# Altium PCB MB1166.PcbDoc (part 25 of 39)
Units mil, origin at the board's own origin, x right, y up, seen from the top; angles counter-clockwise.
Board outline 5000.99 x 2352.96 mil, 4 copper layers (TOP, L2_GND, L3_VCC, BOTTOM), stack 25.9 mil thick; 35 components, 24 nets, 166 pads, 143 vias.
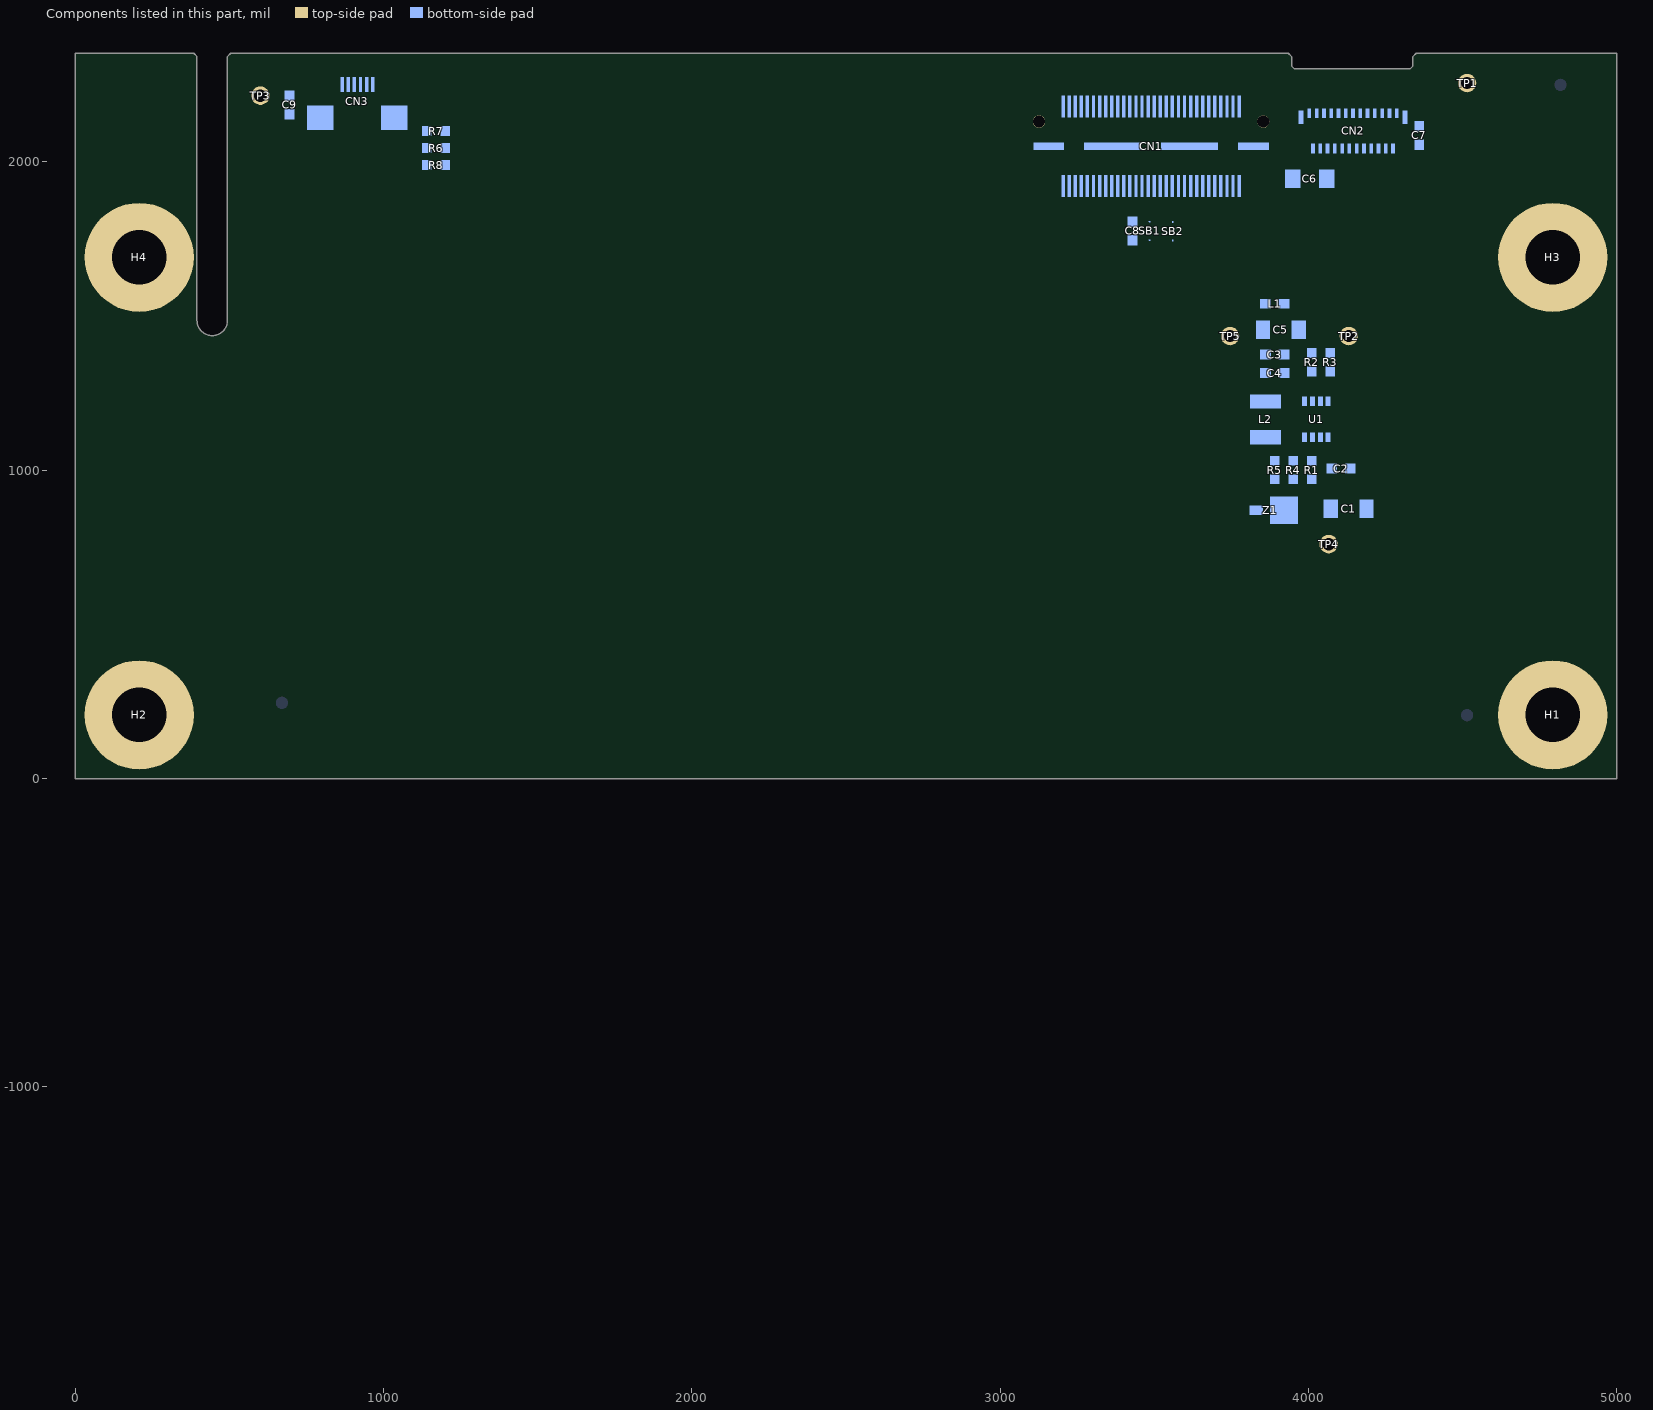
[diagram p27: the components of this part, seen from the top]

## Via types
v1: diameter 24, hole 12, TOP to BOTTOM, 143 vias

## Nets (pads, with @x,y where several pads share a name; then routed paths per layer and width w, separated by ;. In a path a pad name is that pad's centre, name@x,y a point inside that pad or via, vN(x,y) a via of type N, cw(c..) or ccw(c..) an arc to the next point about the centre after c; other vN are vias at no path point) (continued)
copper on no net: (continued)
  BOTTOM w2: 927.87,-1126.79 927.84,-1126.7 ; 927.87,-1126.79 927.9,-1126.89 ; 927.88,-1162.96 927.9,-1162.86 ; 927.88,-1162.96 927.9,-1162.86 ; 927.9,-1162.86 927.92,-1162.77 ; 927.9,-1162.86 927.92,-1162.77 ; 927.92,-1162.77 927.95,-1162.67 ; 927.92,-1162.77 927.95,-1162.67 ; 927.92,-1126.99 927.9,-1126.89 ; 927.92,-1126.99 927.95,-1127.08 ; 927.92,-1126.99 927.9,-1126.89 ; 927.92,-1126.99 927.95,-1127.08 ; 927.95,-1162.67 927.99,-1162.47 ; 927.95,-1162.67 927.99,-1162.47 ; 927.97,-1127.18 927.95,-1127.08 ; 927.97,-1127.18 928,-1127.28 ; 927.97,-1127.18 927.95,-1127.08 ; 927.97,-1127.18 928,-1127.28 ; 927.99,-1162.47 928.01,-1162.38 ; 927.99,-1162.47 928.01,-1162.38 ; 928.01,-1162.38 928.04,-1162.28 ; 928.01,-1162.38 928.04,-1162.28 ; 928,-1127.28 928.03,-1127.37 ; 928,-1127.28 928.03,-1127.37 ; 928.04,-1162.28 928.08,-1162.08 ; 928.04,-1162.28 928.08,-1162.08 ; 928.05,-1127.47 928.03,-1127.37 ; 928.05,-1127.47 928.08,-1127.57 ; 928.05,-1127.47 928.03,-1127.37 ; 928.05,-1127.47 928.08,-1127.57 ; 928.08,-1162.08 928.1,-1161.99 ; 928.08,-1162.08 928.1,-1161.99 ; 928.1,-1161.99 928.14,-1161.79 ; 928.1,-1161.99 928.14,-1161.79 ; 928.11,-1127.66 928.08,-1127.57 ; 928.11,-1127.66 928.13,-1127.76 ; 928.11,-1127.66 928.08,-1127.57 ; 928.11,-1127.66 928.13,-1127.76 ; 928.14,-1161.79 928.17,-1161.69 ; 928.14,-1161.79 928.17,-1161.69 ; 928.17,-1161.69 928.19,-1161.6 ; 928.17,-1161.69 928.19,-1161.6 ; 928.16,-1127.85 928.13,-1127.76 ; 928.16,-1127.85 928.22,-1128.05 ; 928.16,-1127.85 928.13,-1127.76 ; 928.16,-1127.85 928.22,-1128.05 ; 928.19,-1161.6 928.27,-1161.2 ; 928.19,-1161.6 928.27,-1161.2 ; 928.22,-1128.05 928.25,-1128.14 ; 928.22,-1128.05 928.25,-1128.14 ; 928.27,-1161.2 928.29,-1161.11 ; 928.27,-1161.2 928.29,-1161.11 ; 928.25,-1128.14 928.28,-1128.24 ; 928.25,-1128.14 928.28,-1128.24 ; 928.29,-1161.11 928.37,-1160.71 ; 928.29,-1161.11 928.37,-1160.71 ; 928.3,-1128.33 928.28,-1128.24 ; 928.3,-1128.33 928.33,-1128.43 ; 928.3,-1128.33 928.28,-1128.24 ; 928.3,-1128.33 928.33,-1128.43 ; 928.37,-1160.71 928.39,-1160.62 ; 928.37,-1160.71 928.39,-1160.62 ; 928.36,-1128.52 928.33,-1128.43 ; 928.36,-1128.52 928.42,-1128.72 ; 928.36,-1128.52 928.33,-1128.43 ; 928.36,-1128.52 928.42,-1128.72 ; 928.39,-1160.62 928.47,-1160.22 ; 928.39,-1160.62 928.47,-1160.22 ; 928.42,-1128.72 928.45,-1128.81 ; 928.42,-1128.72 928.45,-1128.81 ; 928.47,-1160.22 928.49,-1160.13 ; 928.47,-1160.22 928.49,-1160.13 ; 928.45,-1128.81 928.48,-1128.91 ; 928.45,-1128.81 928.48,-1128.91 ; 928.49,-1160.13 928.51,-1160.03 ; 928.49,-1160.13 928.51,-1160.03 ; 928.51,-1160.03 928.52,-1159.93 ; 928.51,-1160.03 928.52,-1159.93 ; 928.52,-1159.93 928.58,-1159.63 ; 928.52,-1159.93 928.58,-1159.63 ; 928.51,-1129 928.48,-1128.91 ; 928.51,-1129 928.54,-1129.1 ; 928.51,-1129 928.48,-1128.91 ; 928.51,-1129 928.54,-1129.1 ; 928.57,-1129.19 928.54,-1129.1 ; 928.57,-1129.19 928.6,-1129.29 ; 928.57,-1129.19 928.54,-1129.1 ; 928.57,-1129.19 928.6,-1129.29 ; 928.58,-1159.63 928.59,-1159.54 ; 928.58,-1159.63 928.59,-1159.54 ; 928.59,-1159.54 928.65,-1159.24 ; 928.59,-1159.54 928.65,-1159.24 ; 928.6,-1129.29 928.63,-1129.38 ; 928.6,-1129.29 928.63,-1129.38 ; 928.65,-1159.24 928.66,-1159.14 ; 928.65,-1159.24 928.66,-1159.14 ; 928.66,-1159.14 928.7,-1158.94 ; 928.66,-1159.14 928.7,-1158.94 ; 928.63,-1129.38 928.69,-1129.58 ; 928.63,-1129.38 928.69,-1129.58 ; 928.7,-1158.94 928.71,-1158.84 ; 928.7,-1158.94 928.71,-1158.84 ; 928.71,-1158.84 928.73,-1158.75 ; 928.71,-1158.84 928.73,-1158.75 ; 928.72,-1129.67 928.69,-1129.58 ; 928.72,-1129.67 928.75,-1129.77 ; 928.72,-1129.67 928.69,-1129.58 ; 928.72,-1129.67 928.75,-1129.77 ; 928.73,-1158.75 928.74,-1158.65 ; 928.73,-1158.75 928.74,-1158.65 ; 928.74,-1158.65 928.76,-1158.55 ; 928.74,-1158.65 928.76,-1158.55 ; 928.76,-1158.55 928.77,-1158.45 ; 928.76,-1158.55 928.77,-1158.45 ; 928.77,-1158.45 928.81,-1158.25 ; 928.77,-1158.45 928.81,-1158.25 ; 928.75,-1129.77 928.78,-1129.86 ; 928.75,-1129.77 928.78,-1129.86 ; 928.81,-1158.25 928.82,-1158.15 ; 928.81,-1158.25 928.82,-1158.15 ; 928.82,-1158.15 928.84,-1158.05 ; 928.82,-1158.15 928.84,-1158.05 ; 928.81,-1129.96 928.78,-1129.86 ; 928.81,-1129.96 928.83,-1130.05 ; 928.81,-1129.96 928.78,-1129.86 ; 928.81,-1129.96 928.83,-1130.05 ; 928.84,-1158.05 928.85,-1157.96 ; 928.84,-1158.06 870.55,-1216.34 928.84,-1158.06 ; 928.84,-1158.05 928.85,-1157.96 ; 928.85,-1157.96 928.87,-1157.86 ; 928.85,-1157.96 928.87,-1157.86 ; 928.87,-1157.86 928.89,-1157.66 ; 928.87,-1157.86 928.89,-1157.66 ; 928.86,-1130.15 928.83,-1130.05 ; 928.86,-1130.15 928.89,-1130.24 ; 928.86,-1130.15 928.83,-1130.05 ; 928.86,-1130.15 928.89,-1130.24 ; 928.89,-1157.66 928.91,-1157.56 ; 928.89,-1157.66 928.91,-1157.56 ; 928.91,-1157.56 928.92,-1157.46 ; 928.91,-1157.56 928.92,-1157.46 ; 928.92,-1157.46 928.94,-1157.36 ; 928.92,-1157.46 928.94,-1157.36 ; 928.89,-1130.24 928.95,-1130.44 ; 928.89,-1130.24 928.95,-1130.44 ; 928.94,-1157.36 928.96,-1157.16 ; 928.94,-1157.36 928.96,-1157.16 ; 928.96,-1157.16 928.98,-1157.06 ; 928.96,-1157.16 928.98,-1157.06 ; 928.95,-1130.44 928.98,-1130.53 ; 928.95,-1130.44 928.98,-1130.53 ; 928.98,-1157.06 928.99,-1156.97 ; 928.98,-1157.06 928.99,-1156.97 ; 928.99,-1156.97 929.01,-1156.87 ; 928.99,-1156.97 929.01,-1156.87 ; 929.01,-1156.87 929.03,-1156.67 ; 929.01,-1156.87 929.03,-1156.67 ; 929,-1130.63 928.98,-1130.53 ; 929,-1130.63 929.03,-1130.72 ; 929,-1130.63 928.98,-1130.53 ; 929,-1130.63 929.03,-1130.72 ; 929.03,-1156.67 929.05,-1156.57 ; 929.03,-1156.67 929.05,-1156.57 ; 929.05,-1156.57 929.08,-1156.27 ; 929.05,-1156.57 929.08,-1156.27 ; 929.03,-1130.72 929.09,-1130.92 ; 929.03,-1130.72 929.09,-1130.92 ; 929.08,-1156.27 929.1,-1156.17 ; 929.08,-1156.27 929.1,-1156.17 ; 929.1,-1156.17 929.12,-1155.97 ; 929.1,-1156.17 929.12,-1155.97 ; 929.12,-1155.97 929.14,-1155.88 ; 929.12,-1155.97 929.14,-1155.88 ; 929.11,-1131.01 929.09,-1130.92 ; 929.11,-1131.01 929.14,-1131.11 ; 929.11,-1131.01 929.09,-1130.92 ; 929.11,-1131.01 929.14,-1131.11 ; 929.14,-1155.88 929.17,-1155.58 ; 929.14,-1155.88 929.17,-1155.58 ; 929.17,-1155.58 929.19,-1155.48 ; 929.17,-1155.58 929.19,-1155.48 ; 929.16,-1131.21 929.14,-1131.11 ; 929.16,-1131.21 929.19,-1131.3 ; 929.16,-1131.21 929.14,-1131.11 ; 929.16,-1131.21 929.19,-1131.3 ; 929.19,-1155.48 929.23,-1155.08 ; 929.19,-1155.48 929.23,-1155.08 ; 929.21,-1131.4 929.19,-1131.3 ; 929.21,-1131.4 929.24,-1131.5 ; 929.21,-1131.4 929.19,-1131.3 ; 929.21,-1131.4 929.24,-1131.5 ; 929.23,-1155.08 929.25,-1154.98 ; 929.23,-1155.08 929.25,-1154.98 ; 929.25,-1154.98 929.29,-1154.58 ; 929.25,-1154.98 929.29,-1154.58 ; 929.26,-1131.59 929.24,-1131.5 ; 929.26,-1131.59 929.29,-1131.69 ; 929.26,-1131.59 929.24,-1131.5 ; 929.26,-1131.59 929.29,-1131.69 ; 929.29,-1154.58 929.31,-1154.49 ; 929.29,-1154.58 929.31,-1154.49 ; 929.31,-1154.49 929.36,-1153.99 ; 929.31,-1154.49 929.36,-1153.99 ; 929.29,-1131.69 929.33,-1131.89 ; 929.29,-1131.69 929.33,-1131.89 ; 929.36,-1153.99 929.38,-1153.89 ; 929.36,-1153.99 929.38,-1153.89 ; 929.37,-1132.08 929.35,-1131.98 ; 929.37,-1132.08 929.4,-1132.18 ; 929.37,-1132.08 929.35,-1131.98 ; 929.37,-1132.08 929.4,-1132.18 ; 929.35,-1131.98 929.33,-1131.89 ; 929.35,-1131.98 929.33,-1131.89 ; 929.38,-1153.89 929.43,-1153.39 ; 929.38,-1153.89 929.43,-1153.39 ; 929.4,-1132.18 929.44,-1132.38 ; 929.4,-1132.18 929.44,-1132.38 ; 929.43,-1153.39 929.45,-1153.29 ; 929.43,-1153.39 929.45,-1153.29 ; 929.45,-1153.29 929.46,-1153.19 ; 929.45,-1153.29 929.46,-1153.19 ; 929.46,-1153.19 929.47,-1153.1 ; 929.46,-1153.19 929.47,-1153.1 ; 929.47,-1153.1 929.49,-1152.9 ; 929.47,-1153.1 929.49,-1152.9 ; 929.46,-1132.47 929.44,-1132.38 ; 929.46,-1132.47 929.54,-1132.87 ; 929.46,-1132.47 929.44,-1132.38 ; 929.46,-1132.47 929.54,-1132.87 ; 929.49,-1152.9 929.51,-1152.8 ; 929.49,-1152.91 866.06,-1216.34 929.49,-1152.91 ; 929.49,-1152.9 929.51,-1152.8 ; 929.51,-1152.8 929.56,-1152.3 ; 929.51,-1152.8 929.56,-1152.3 ; 929.56,-1152.3 929.58,-1152.2 ; 929.56,-1152.3 929.58,-1152.2 ; 929.55,-1132.96 929.54,-1132.87 ; 929.55,-1132.96 929.61,-1133.26 ; 929.55,-1132.96 929.54,-1132.87 ; 929.55,-1132.96 929.61,-1133.26 ; 929.58,-1152.2 929.62,-1151.8 ; 929.58,-1152.2 929.62,-1151.8 ; 929.62,-1151.8 929.64,-1151.71 ; 929.62,-1151.8 929.64,-1151.71 ; 929.62,-1133.36 929.61,-1133.26 ; 929.62,-1133.36 929.64,-1133.46 ; 929.62,-1133.36 929.61,-1133.26 ; 929.62,-1133.36 929.64,-1133.46 ; 929.64,-1151.71 929.67,-1151.41 ; 929.64,-1151.71 929.67,-1151.41 ; 929.67,-1151.41 929.69,-1151.31 ; 929.67,-1151.41 929.69,-1151.31 ; 929.67,-1133.65 929.66,-1133.55 ; 929.67,-1133.65 929.69,-1133.75 ; 929.67,-1133.65 929.66,-1133.55 ; 929.67,-1133.65 929.69,-1133.75 ; 929.66,-1133.55 929.64,-1133.46 ; 929.66,-1133.55 929.64,-1133.46 ; 929.72,-1216.34 929.75,-1216.25 ; 929.72,-1216.34 983.25,-1216.34 929.72,-1216.34 ; 929.72,-1216.34 929.75,-1216.25 ; 929.69,-1151.31 929.72,-1151.01 ; 929.69,-1151.31 929.72,-1151.01 ; 929.72,-1151.01 929.74,-1150.91 ; 929.72,-1151.01 929.74,-1150.91 ; 929.72,-1133.95 929.7,-1133.85 ; 929.72,-1133.95 929.73,-1134.05 ; 929.72,-1133.95 929.7,-1133.85 ; 929.72,-1133.95 929.73,-1134.05 ; 929.7,-1133.85 929.69,-1133.75 ; 929.7,-1133.85 929.69,-1133.75 ; 929.75,-1216.25 929.81,-1215.95 ; 929.75,-1216.25 929.81,-1215.95 ; 929.74,-1150.91 929.77,-1150.61 ; 929.74,-1150.91 929.77,-1150.61 ; 929.77,-1150.61 929.79,-1150.51 ; 929.77,-1150.61 929.79,-1150.51 ; 929.77,-1134.35 929.75,-1134.15 ; 929.77,-1134.35 929.79,-1134.45 ; 929.77,-1134.35 929.75,-1134.15 ; 929.77,-1134.35 929.79,-1134.45 ; 929.75,-1134.15 929.73,-1134.05 ; 929.75,-1134.15 929.73,-1134.05 ; 929.81,-1215.95 929.83,-1215.86 ; 929.81,-1215.95 929.83,-1215.86 ; 929.79,-1150.51 929.8,-1150.42 ; 929.79,-1150.51 929.8,-1150.42 ; 929.8,-1150.42 929.82,-1150.22 ; 929.8,-1150.42 929.82,-1150.22 ; 929.82,-1150.22 929.84,-1150.12 ; 929.82,-1150.22 929.84,-1150.12 ; 929.81,-1134.64 929.8,-1134.54 ; 929.81,-1134.64 929.83,-1134.74 ; 929.81,-1134.63 895.46,-1168.98 929.81,-1134.63 ; 929.81,-1134.64 929.8,-1134.54 ; 929.81,-1134.64 929.83,-1134.74 ; 929.8,-1134.54 929.79,-1134.45 ; 929.8,-1134.54 929.79,-1134.45 ; 929.83,-1215.86 929.87,-1215.66 ; 929.83,-1215.86 929.87,-1215.66 ; 929.87,-1215.66 929.9,-1215.56 ; 929.87,-1215.66 929.9,-1215.56 ; 929.84,-1150.12 929.87,-1149.82 ; 929.84,-1150.12 929.87,-1149.82 ; 929.87,-1149.82 929.89,-1149.72 ; 929.87,-1149.82 929.89,-1149.72 ; 929.83,-1134.74 929.97,-1136.14 ; 929.83,-1134.74 929.97,-1136.14 ; 929.9,-1215.56 929.92,-1215.47 ; 929.9,-1215.56 929.92,-1215.47 ; 929.92,-1215.47 930,-1215.07 ; 929.92,-1215.47 930,-1215.07 ; 929.89,-1149.72 929.95,-1149.12 ; 929.89,-1149.72 929.95,-1149.12 ; 929.95,-1149.12 929.97,-1149.03 ; 929.95,-1149.12 929.97,-1149.03 ; 929.97,-1149.03 930.01,-1148.63 ; 929.97,-1149.03 930.01,-1148.63 ; 929.97,-1136.14 929.98,-1136.23 ; 929.97,-1136.14 929.98,-1136.23 ; 930,-1215.07 930.02,-1214.98 ; 930,-1215.07 930.02,-1214.98 ; 930.02,-1214.98 930.05,-1214.88 ; 930.02,-1214.98 930.05,-1214.88 ; 930.01,-1148.63 930.01,-1148.53 ; 930.01,-1148.63 930.01,-1148.53 ; 930.01,-1148.53 930.06,-1148.03 ; 930.01,-1148.53 930.06,-1148.03 ; 930.01,-1136.73 930.01,-1136.63 ; 930.01,-1136.73 930.03,-1136.93 ; 930.01,-1136.73 930.01,-1136.63 ; 930.01,-1136.73 930.03,-1136.93 ; 930.01,-1136.63 929.99,-1136.43 ; 930.01,-1136.63 929.99,-1136.43 ; 929.99,-1136.43 929.99,-1136.33 ; 929.99,-1136.43 929.99,-1136.33 ; 929.99,-1136.33 929.98,-1136.23 ; 929.99,-1136.33 929.98,-1136.23 ; 930.05,-1214.88 930.09,-1214.68 ; 930.05,-1214.88 930.09,-1214.68 ; 930.06,-1148.03 930.06,-1147.93 ; 930.06,-1148.03 930.06,-1147.93 ; 930.06,-1147.93 930.08,-1147.73 ; 930.06,-1147.93 930.08,-1147.73 ; 930.07,-1137.83 930.07,-1137.63 ; 930.07,-1137.83 930.08,-1137.93 ; 930.07,-1137.83 930.07,-1137.63 ; 930.07,-1137.83 930.08,-1137.93 ; 930.07,-1137.63 930.06,-1137.53 ; 930.07,-1137.63 930.06,-1137.53 ; 930.06,-1137.53 930.06,-1137.43 ; 930.06,-1137.53 930.06,-1137.43 ; 930.06,-1137.43 930.05,-1137.33 ; 930.06,-1137.43 930.05,-1137.33 ; 930.05,-1137.33 930.05,-1137.23 ; 930.05,-1137.33 930.05,-1137.23 ; 930.05,-1137.23 930.03,-1137.03 ; 930.05,-1137.23 930.03,-1137.03 ; 930.03,-1137.03 930.03,-1136.93 ; 930.03,-1137.03 930.03,-1136.93 ; 930.09,-1214.68 930.11,-1214.59 ; 930.09,-1214.68 930.11,-1214.59 ; 930.11,-1214.59 930.17,-1214.29 ; 930.11,-1214.59 930.17,-1214.29 ; 930.08,-1147.73 930.08,-1147.63 ; 930.08,-1147.73 930.08,-1147.63 ; 930.08,-1147.63 930.09,-1147.53 ; 930.08,-1147.63 930.09,-1147.53 ; 930.09,-1147.53 930.09,-1147.43 ; 930.09,-1147.53 930.09,-1147.43 ; 930.09,-1147.43 930.1,-1147.33 ; 930.09,-1147.43 930.1,-1147.33 ; 930.1,-1147.33 930.1,-1147.23 ; 930.1,-1147.33 930.1,-1147.23 ; 930.1,-1147.23 930.11,-1147.13 ; 930.1,-1147.23 930.11,-1147.13 ; 930.11,-1147.13 930.11,-1146.83 ; 930.11,-1147.13 930.11,-1146.83 ; 930.11,-1146.83 930.12,-1146.73 ; 930.11,-1146.83 930.12,-1146.73 ; 930.12,-1146.73 930.12,-1145.33 ; 930.12,-1146.73 930.12,-1145.33 ; 930.12,-1145.33 930.11,-1145.23 ; 930.12,-1145.33 930.11,-1145.23 ; 930.11,-1145.23 930.11,-1144.73 ; 930.11,-1145.23 930.11,-1144.73 ; 930.11,-1144.73 930.1,-1144.63 ; 930.11,-1144.73 930.1,-1144.63 ; 930.1,-1144.63 930.1,-1143.93 ; 930.1,-1144.63 930.1,-1143.93 ; 930.1,-1143.93 930.09,-1143.83 ; 930.1,-1143.93 930.09,-1143.83 ; 930.09,-1143.83 930.09,-1142.53 ; 930.09,-1143.83 930.09,-1142.53 ; 930.09,-1142.53 930.1,-1142.43 ; 930.09,-1142.53 930.1,-1142.43 ; 930.1,-1142.43 930.1,-1141.33 ; 930.1,-1142.43 930.1,-1141.33 ; 930.1,-1141.33 930.11,-1141.23 ; 930.1,-1141.33 930.11,-1141.23 ; 930.11,-1141.23 930.11,-1139.03 ; 930.11,-1141.23 930.11,-1139.03 ; 930.11,-1139.03 930.1,-1138.93 ; 930.11,-1139.03 930.1,-1138.93 ; 930.1,-1138.93 930.1,-1138.53 ; 930.1,-1138.93 930.1,-1138.53 ; 930.1,-1138.53 930.09,-1138.43 ; 930.1,-1138.53 930.09,-1138.43 ; 930.09,-1138.43 930.09,-1138.23 ; 930.09,-1138.43 930.09,-1138.23 ; 930.09,-1138.23 930.08,-1138.13 ; 930.09,-1138.23 930.08,-1138.13 ; 930.08,-1138.13 930.08,-1137.93 ; 930.08,-1138.13 930.08,-1137.93 ; 930.17,-1214.29 930.19,-1214.2 ; 930.17,-1214.29 930.19,-1214.2 ; 930.19,-1214.2 930.22,-1214.1 ; 930.19,-1214.2 930.22,-1214.1 ; 930.22,-1214.1 930.28,-1213.8 ; 930.22,-1214.1 930.28,-1213.8 ; 930.28,-1213.8 930.3,-1213.71 ; 930.28,-1213.8 930.3,-1213.71 ; 930.3,-1213.71 930.36,-1213.41 ; 930.3,-1213.71 930.36,-1213.41 ; 930.36,-1213.41 930.39,-1213.32 ; 930.36,-1213.41 930.39,-1213.32 ; 930.39,-1213.32 930.47,-1212.92 ; 930.39,-1213.32 930.47,-1212.92 ; 930.47,-1212.92 930.49,-1212.83 ; 930.47,-1212.92 930.49,-1212.83 ; 930.49,-1212.83 930.53,-1212.63 ; 930.49,-1212.83 930.53,-1212.63 ; 930.53,-1212.63 930.56,-1212.53 ; 930.53,-1212.63 930.56,-1212.53 ; 930.56,-1212.53 930.58,-1212.44 ; 930.56,-1212.53 930.58,-1212.44 ; 930.58,-1212.44 930.64,-1212.14 ; 930.58,-1212.44 930.64,-1212.14 ; 930.64,-1212.14 930.66,-1212.05 ; 930.64,-1212.14 930.66,-1212.05 ; 930.66,-1212.05 930.72,-1211.75 ; 930.66,-1212.05 930.72,-1211.75 ; 930.72,-1211.75 930.75,-1211.65 ; 930.72,-1211.75 930.75,-1211.65 ; 930.75,-1211.65 930.77,-1211.56 ; 930.75,-1211.65 930.77,-1211.56 ; 930.77,-1211.56 930.83,-1211.26 ; 930.77,-1211.56 930.83,-1211.26 ; 930.83,-1211.26 930.85,-1211.17 ; 930.83,-1211.26 930.85,-1211.17 ; 930.85,-1211.17 930.93,-1210.77 ; 930.85,-1211.17 930.93,-1210.77 ; 930.93,-1210.77 930.96,-1210.68 ; 930.93,-1210.77 930.96,-1210.68 ; 930.96,-1210.68 931.02,-1210.38 ; 930.96,-1210.68 931.02,-1210.38 ; 931.02,-1210.38 931.04,-1210.29 ; 931.02,-1210.38 931.04,-1210.29 ; 931.04,-1210.29 931.12,-1209.89 ; 931.04,-1210.29 931.12,-1209.89 ; 931.12,-1209.89 931.14,-1209.8 ; 931.12,-1209.89 931.14,-1209.8 ; 931.14,-1209.8 931.17,-1209.7 ; 931.14,-1209.8 931.17,-1209.7 ; 931.17,-1209.7 931.21,-1209.5 ; 931.17,-1209.7 931.21,-1209.5 ; 931.21,-1209.5 931.23,-1209.41 ; 931.21,-1209.5 931.23,-1209.41 ; 931.23,-1209.41 931.31,-1209.01 ; 931.23,-1209.41 931.31,-1209.01 ; 931.31,-1209.01 931.33,-1208.92 ; 931.31,-1209.01 931.33,-1208.92 ; 931.33,-1208.92 931.37,-1208.72 ; 931.33,-1208.92 931.37,-1208.72 ; 931.37,-1208.72 931.4,-1208.62 ; 931.37,-1208.72 931.4,-1208.62 ; 931.4,-1208.62 931.42,-1208.53 ; 931.4,-1208.62 931.42,-1208.53 ; 931.42,-1208.53 931.5,-1208.13 ; 931.42,-1208.53 931.5,-1208.13 ; 931.5,-1208.13 931.52,-1208.04 ; 931.5,-1208.13 931.52,-1208.04 ; 931.52,-1208.04 931.58,-1207.74 ; 931.52,-1208.04 931.58,-1207.74 ; 931.58,-1207.74 931.6,-1207.65 ; 931.58,-1207.74 931.6,-1207.65 ; 931.6,-1207.65 931.62,-1207.55 ; 931.6,-1207.65 931.62,-1207.55 ; 931.62,-1207.55 931.65,-1207.45 ; 931.62,-1207.55 931.65,-1207.45 ; 931.65,-1207.45 931.69,-1207.25 ; 931.65,-1207.45 931.69,-1207.25 ; 931.69,-1207.25 931.71,-1207.16 ; 931.69,-1207.25 931.71,-1207.16 ; 931.71,-1207.16 931.79,-1206.76 ; 931.71,-1207.16 931.79,-1206.76 ; 931.8,-1206.73 1031.79,-1106.74 931.8,-1206.73 ; 931.79,-1206.76 931.81,-1206.67 ; 931.79,-1206.76 931.81,-1206.67 ; 931.81,-1206.67 931.87,-1206.37 ; 931.81,-1206.67 931.87,-1206.37 ; 931.87,-1206.37 931.89,-1206.28 ; 931.87,-1206.37 931.89,-1206.28 ; 931.89,-1206.28 931.92,-1206.18 ; 931.89,-1206.28 931.92,-1206.18 ; 931.92,-1206.18 931.98,-1205.88 ; 931.92,-1206.18 931.98,-1205.88 ; 931.98,-1205.88 932,-1205.79 ; 931.98,-1205.88 932,-1205.79 ; 932,-1205.79 932.06,-1205.49 ; 932,-1205.79 932.06,-1205.49 ; 932.06,-1205.49 932.08,-1205.4 ; 932.06,-1205.49 932.08,-1205.4 ; 932.08,-1205.4 932.16,-1205 ; 932.08,-1205.4 932.16,-1205 ; 932.16,-1205 932.18,-1204.91 ; 932.16,-1205 932.18,-1204.91 ; 932.18,-1204.91 932.21,-1204.81 ; 932.18,-1204.91 932.21,-1204.81 ; 932.21,-1204.81 932.27,-1204.51 ; 932.21,-1204.81 932.27,-1204.51 ; 932.27,-1204.51 932.29,-1204.42 ; 932.27,-1204.51 932.29,-1204.42 ; 932.29,-1204.42 932.35,-1204.12 ; 932.29,-1204.42 932.35,-1204.12 ; 932.35,-1204.12 932.37,-1204.03 ; 932.35,-1204.12 932.37,-1204.03 ; 932.37,-1204.03 932.45,-1203.63 ; 932.37,-1204.03 932.45,-1203.63 ; 932.45,-1203.63 932.47,-1203.54 ; 932.45,-1203.63 932.47,-1203.54 ; 932.47,-1203.54 932.51,-1203.34 ; 932.47,-1203.54 932.51,-1203.34 ; 932.51,-1203.34 932.54,-1203.24 ; 932.51,-1203.34 932.54,-1203.24 ; 932.54,-1203.24 932.56,-1203.14 ; 932.54,-1203.24 932.56,-1203.14 ; 932.56,-1203.14 932.58,-1203.05 ; 932.56,-1203.14 932.58,-1203.05 ; 932.58,-1203.05 932.64,-1202.75 ; 932.58,-1203.05 932.64,-1202.75 ; 932.64,-1202.75 932.66,-1202.66 ; 932.64,-1202.75 932.66,-1202.66 ; 932.66,-1202.66 932.74,-1202.26 ; 932.66,-1202.66 932.74,-1202.26 ; 932.74,-1202.26 932.76,-1202.17 ; 932.74,-1202.26 932.76,-1202.17 ; 932.76,-1202.17 932.84,-1201.77 ; 932.76,-1202.17 932.84,-1201.77 ; 932.84,-1201.77 932.86,-1201.68 ; 932.84,-1201.77 932.86,-1201.68 ; 932.86,-1201.68 932.89,-1201.58 ; 932.86,-1201.68 932.89,-1201.58 ; 932.89,-1201.58 932.93,-1201.38 ; 932.89,-1201.58 932.93,-1201.38 ; 932.93,-1201.38 932.95,-1201.29 ; 932.93,-1201.38 932.95,-1201.29 ; 932.95,-1201.29 933.03,-1200.89 ; 932.95,-1201.29 933.03,-1200.89 ; 933.03,-1200.89 933.05,-1200.8 ; 933.03,-1200.89 933.05,-1200.8 ; 933.05,-1200.8 933.13,-1200.4 ; 933.05,-1200.8 933.13,-1200.4 ; 933.13,-1200.4 933.15,-1200.31 ; 933.13,-1200.4 933.15,-1200.31 ; 933.15,-1200.31 933.21,-1200.01 ; 933.15,-1200.31 933.21,-1200.01 ; 933.21,-1200.01 933.23,-1199.92 ; 933.21,-1200.01 933.23,-1199.92 ; 933.23,-1199.92 933.26,-1199.82 ; 933.23,-1199.92 933.26,-1199.82 ; 933.26,-1199.82 933.32,-1199.52 ; 933.26,-1199.82 933.32,-1199.52 ; 933.32,-1199.52 933.34,-1199.43 ; 933.32,-1199.52 933.34,-1199.43 ; 933.34,-1199.43 933.42,-1199.03 ; 933.34,-1199.43 933.42,-1199.03 ; 933.42,-1199.03 933.44,-1198.94 ; 933.42,-1199.03 933.44,-1198.94 ; 933.44,-1198.94 933.5,-1198.64 ; 933.44,-1198.94 933.5,-1198.64 ; 933.5,-1198.64 933.52,-1198.55 ; 933.5,-1198.64 933.52,-1198.55 ; 933.52,-1198.55 933.6,-1198.15 ; 933.52,-1198.55 933.6,-1198.15 ; 933.6,-1198.15 933.62,-1198.06 ; 933.6,-1198.15 933.62,-1198.06 ; 933.62,-1198.06 933.64,-1197.96 ; 933.62,-1198.06 933.64,-1197.96 ; 933.64,-1197.96 933.67,-1197.86 ; 933.64,-1197.96 933.67,-1197.86 ; 933.67,-1197.86 933.71,-1197.66 ; 933.67,-1197.86 933.71,-1197.66 ; 933.71,-1197.66 